# Altium PCB HIVE_BOARD_PCB ASCII REV Project_PCB_Rev.Project_SCH_Rev.PcbDoc (part 6 of 9)
Units mm, origin at the board's own origin, x right, y up, seen from the top; angles counter-clockwise.
Board outline 110 x 110 mm, 8 copper layers (Top, GND_1, Signal_1, GND_2, PWR, Signal_2, GND_3, Bottom), stack 1.6 mm thick; 674 components, 474 nets, 2528 pads, 2100 vias.
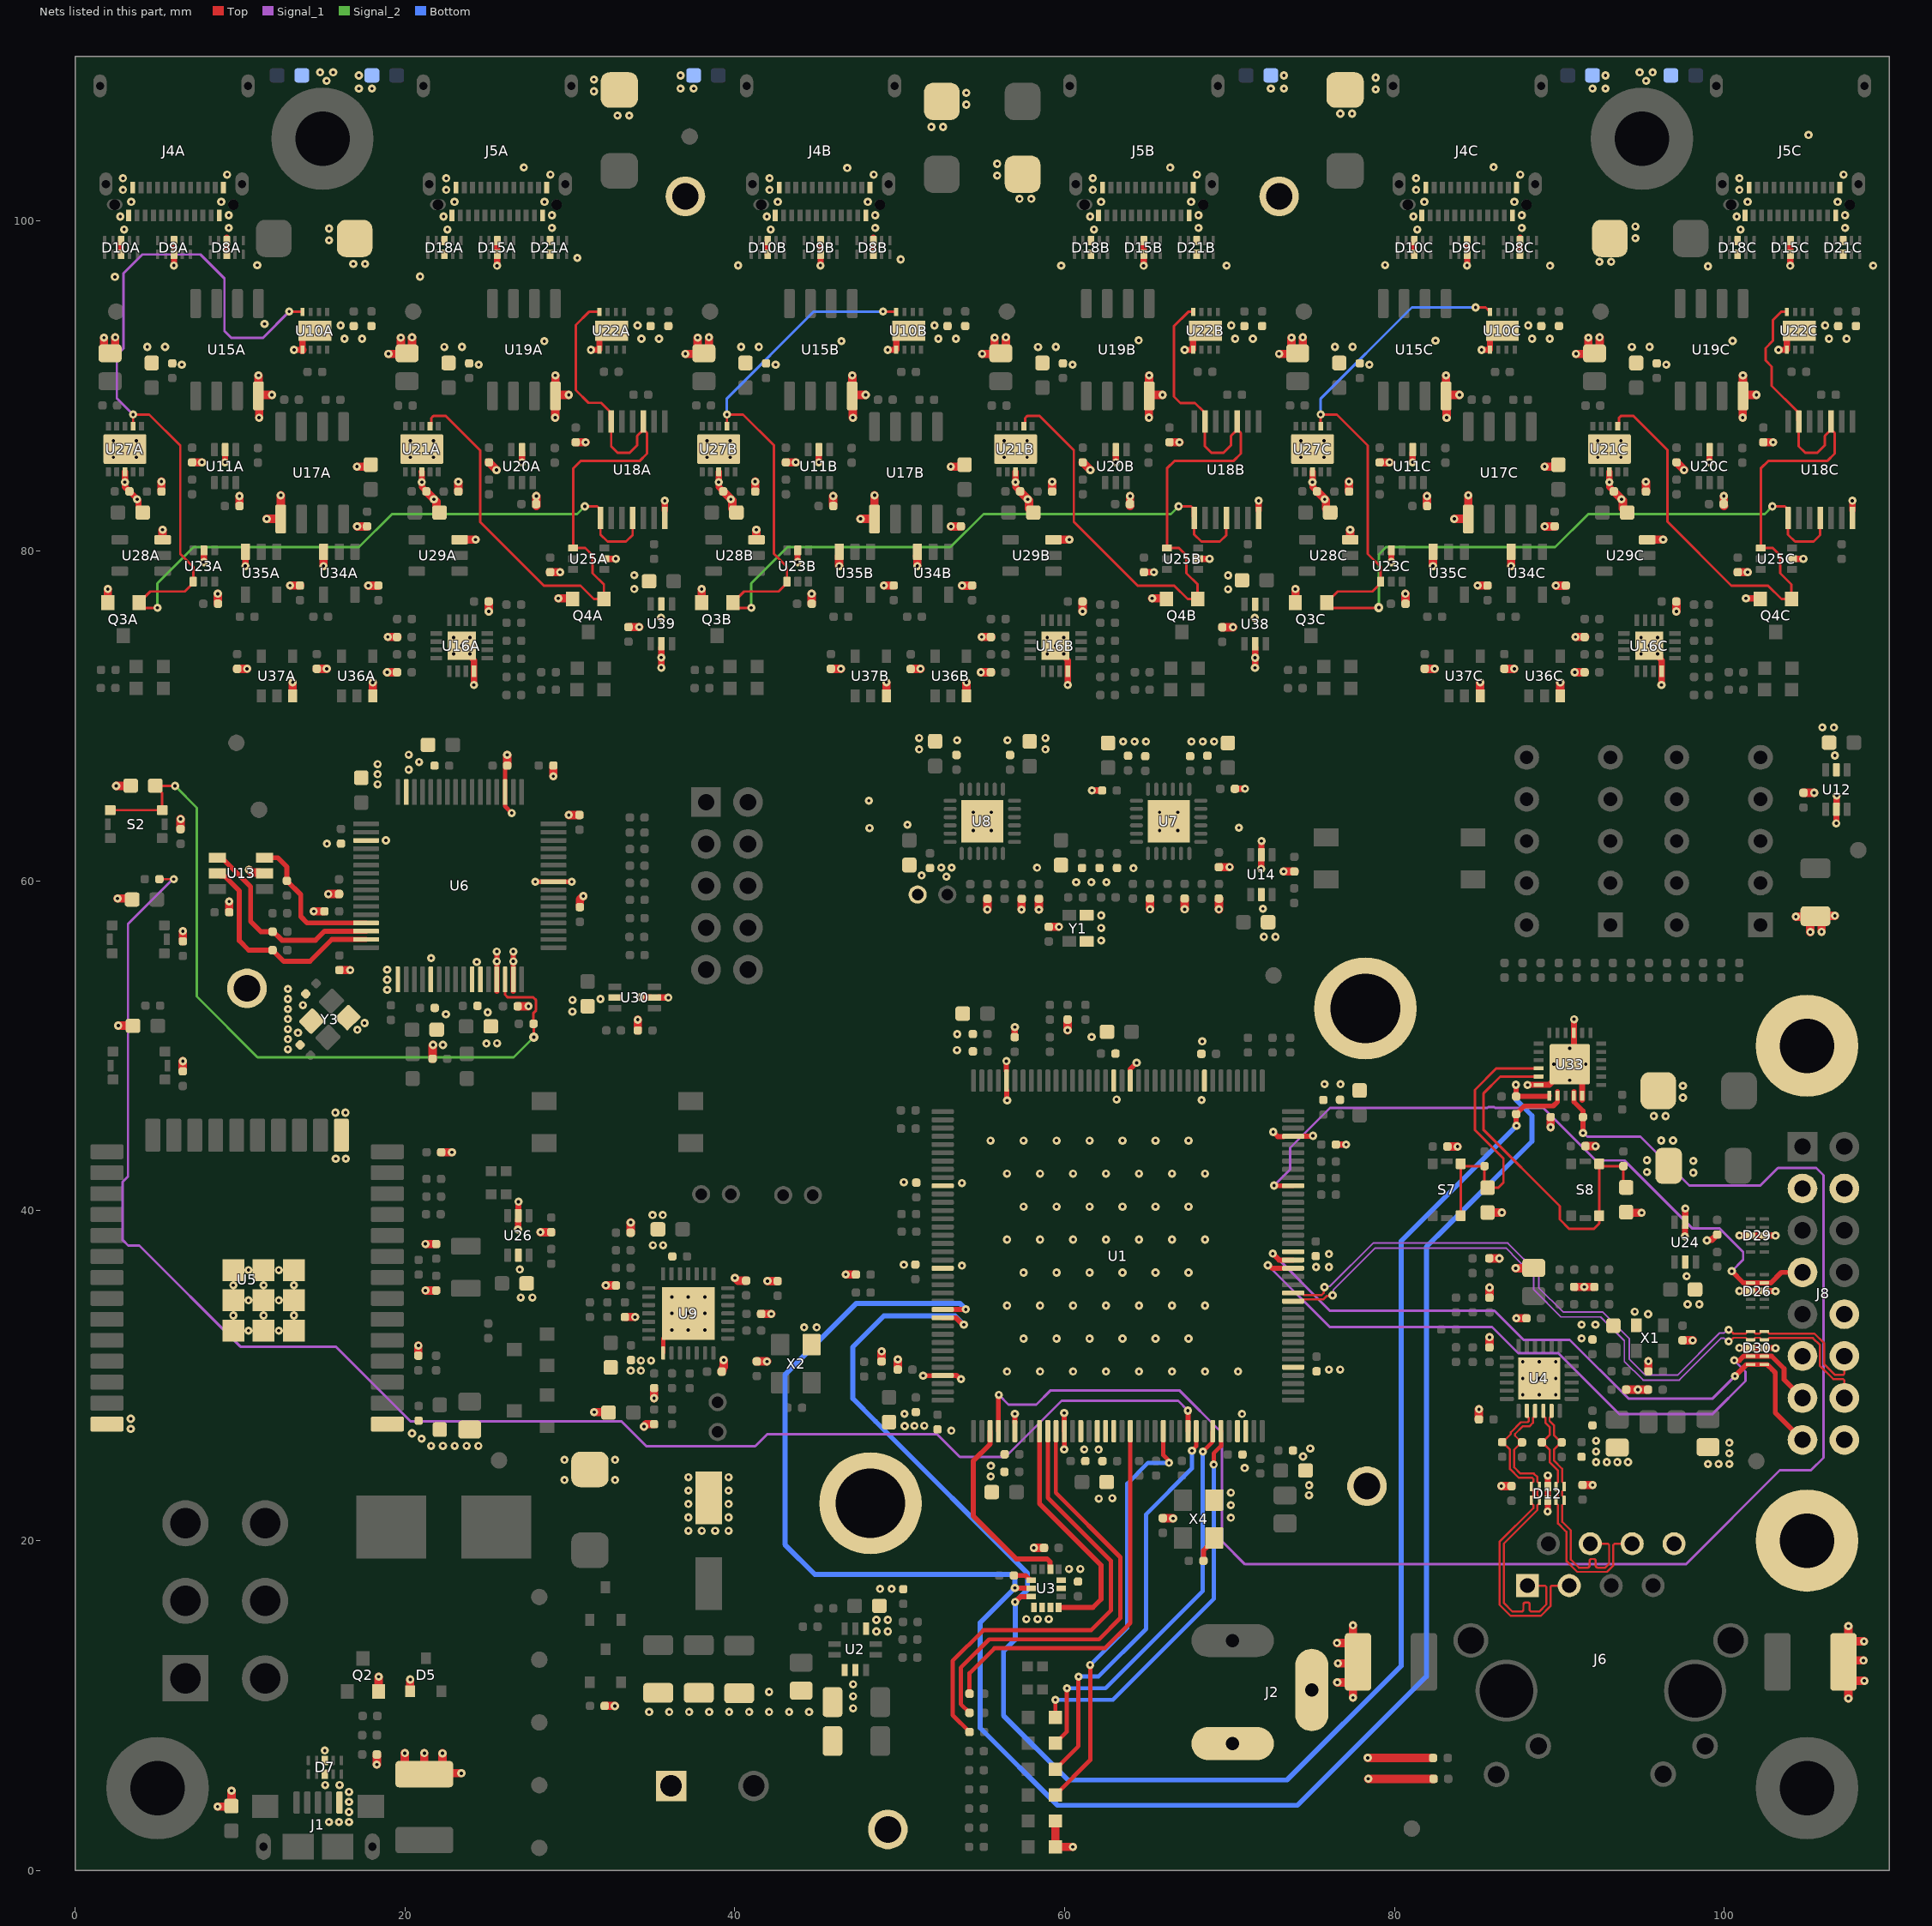
[diagram p12: the nets of this part, all layers, seen from the top]

## Via types
v1: diameter 0.5, hole 0.2, Top to Bottom, tented both sides, 1950 vias
v2: diameter 0.55, hole 0.2, Top to Bottom, tented both sides, 104 vias
v3: diameter 0.5, hole 0.2, Top to Bottom, 41 vias
v4: diameter 0.5, hole 0.2, Top to Bottom, tented bottom, 5 vias

## Nets (pads, with @x,y where several pads share a name; then routed paths per layer and width w, separated by ;. In a path a pad name is that pad's centre, name@x,y a point inside that pad or via, vN(x,y) a via of type N, cw(c..) or ccw(c..) an arc to the next point about the centre after c; other vN are vias at no path point) (continued)
ETH_RX_N: D12.4 D12.7 J6.6 R44.1 U4.22 | length 16
  Top w0.127: R44.1@88.929,25.961 R44.1@88.956,25.961 ; U4.22@89.019,27.872 89.019,27.572 89.142,27.449 89.142,27.152 89.403,26.89 89.403,26.407 88.957,25.961 R44.1@88.956,25.961 ; J6.6@94.405,19.814 93.336,19.814 93.262,19.739 93.262,18.496 92.876,18.11 91.071,18.11 90.429,18.752 90.429,20.52 90.33,20.62 89.91,21.039 89.91,22.149 89.836,22.223 89.824,22.223 89.787,22.26 D12.4@89.787,22.442 89.787,22.625 89.824,22.661 89.836,22.661 89.91,22.735 89.91,22.984 89.836,23.058 89.824,23.058 89.787,23.095 D12.7@89.787,23.277 89.787,23.46 89.824,23.496 89.836,23.496 89.91,23.57 89.91,24.252 89.403,24.759 89.403,25.513 R44.1@88.956,25.961
ETH_RX_P: D12.5 D12.6 J6.4 R43.1 U4.23 | length 16
  Top w0.127: U4.23@89.519,27.872 89.519,27.572 89.396,27.449 89.396,27.257 89.657,26.996 89.657,26.407 90.103,25.961 R43.1@90.105,25.961 ; R43.1@90.132,25.961 R43.1@90.105,25.961 ; J6.4@91.865,19.814 92.933,19.814 93.008,19.739 93.008,18.601 92.771,18.364 92.326,18.364 cw(c92.326,18.491) 92.199,18.491 92.199,18.774 ccw(c92.085,18.774) 92.085,18.889 91.932,18.889 ccw(c91.932,18.774) 91.818,18.774 91.818,18.491 cw(c91.691,18.491) 91.691,18.364 91.265,18.364 91.176,18.364 90.683,18.857 90.683,20.625 90.164,21.144 90.164,22.149 90.239,22.223 90.251,22.223 90.287,22.26 D12.5@90.287,22.442 90.287,22.625 90.251,22.661 90.239,22.661 90.164,22.735 90.164,22.984 90.239,23.058 90.251,23.058 90.287,23.095 D12.6@90.287,23.277 90.287,23.46 90.251,23.496 90.239,23.496 90.164,23.57 90.164,24.357 89.657,24.864 89.657,25.513 R43.1@90.105,25.961
ETH_TX_N: D12.1 D12.10 J6.3 R42.1 U4.20 | length 21
  Top w0.127: R42.1@86.523,25.972 R42.1@86.535,25.972 ; U4.20@88.019,27.872 88.019,27.572 88.142,27.449 88.142,27.257 88.068,27.182 87.662,27.182 87.05,26.571 87.05,26.465 86.557,25.972 R42.1@86.535,25.972 ; J6.3@90.595,17.274 89.526,17.274 89.452,17.199 89.452,16.028 88.869,15.445 87.039,15.445 86.361,16.123 86.361,19.92 88.41,21.969 88.41,22.149 88.336,22.223 88.324,22.223 88.287,22.26 D12.1@88.287,22.442 88.287,22.625 88.324,22.661 88.336,22.661 88.41,22.735 88.41,22.984 88.336,23.058 88.324,23.058 88.287,23.095 D12.10@88.287,23.277 88.287,23.46 88.41,23.583 88.41,23.743 88.336,23.817 87.525,23.817 86.998,24.344 86.998,25.509 R42.1@86.535,25.972
ETH_TX_P: D12.2 D12.9 J6.1 R41.1 U4.21 | length 21
  Top w0.127: R41.1@87.703,25.961 87.252,25.509 87.252,24.449 87.63,24.071 88.441,24.071 88.664,23.848 88.664,23.57 88.739,23.496 88.751,23.496 88.787,23.46 D12.9@88.787,23.277 88.787,23.095 88.751,23.058 88.739,23.058 88.664,22.984 88.664,22.735 88.739,22.661 88.751,22.661 88.787,22.625 D12.2@88.787,22.442 88.787,22.26 88.751,22.223 88.739,22.223 88.664,22.149 88.664,21.864 86.615,19.815 86.615,16.228 87.144,15.699 87.439,15.699 87.684,15.699 ccw(c87.684,15.826) 87.811,15.826 87.811,16.133 cw(c87.925,16.133) 87.925,16.247 88.078,16.247 cw(c88.078,16.133) 88.192,16.133 88.192,15.826 ccw(c88.319,15.826) 88.319,15.699 88.763,15.699 89.198,16.133 89.198,17.199 89.123,17.274 J6.1@88.055,17.274 ; R41.1@87.726,25.961 87.704,25.961 87.304,26.36 87.304,26.466 87.767,26.928 88.173,26.928 88.396,27.152 88.396,27.449 88.519,27.572 U4.21@88.519,27.872
FTDI_EECLK: R68.1 U6.62 U13.4 | length 12.6
  Top w0.305: U13.4@8.636,61.406 8.784,61.258 9.031,61.258 10.644,59.645 10.644,57.545 11.267,56.922 R68.1@11.976,56.922 ; R68.1@11.976,56.972 12.541,56.407 14.578,56.407 15.123,56.952 U6.62@17.641,56.952
FTDI_EECS: R69.1 U6.63 U13.5 | length 13.5
  Top w0.305: U13.5@8.636,60.456 8.784,60.308 9.042,60.308 9.961,59.39 9.961,56.371 10.528,55.804 R69.1@11.976,55.804 12.649,55.131 14.243,55.131 15.564,56.452 U6.63@17.641,56.452
FTDI_EEDATA: R72.1 U6.61 U13.3 | length 9.1
  Top w0.305: U13.3@11.486,61.406 12.292,61.406 12.844,60.854 R72.1@12.844,60.005 13.682,59.167 13.682,57.835 14.065,57.452 U6.61@17.641,57.452
FTDI_RESET: C91.1 R66.1 S2.3 S2.4 U6.14 | length 47
  Top w0.152: S2.4@2.133,64.29 S2.3@5.283,64.29 5.283,65.328 4.866,65.745 C91.1@4.866,65.772 ; C91.1@4.866,65.759 v1@6.06,65.759 ; U6.14@26.071,54.022 26.075,54.019 26.075,53.097 26.238,52.934 27.788,52.934 27.954,52.768 27.954,52.152 27.795,51.993 R66.1@27.795,51.336 27.804,51.327 27.804,50.532 v2(27.813,50.523)
  Signal_2 w0.152: v1(6.063,65.755) 7.384,64.435 7.384,52.988 11.062,49.309 26.598,49.309 v2(27.813,50.523)
GND: C1.1 C2.2 C3.1 C4.2 C5.1 C6.2 C7.2 C8.2 C9.2 C10.2 C11.1 C12.2 C13.2 C14.2 C15.2 C16.2 C17.2 C18.2 C19.2 C20.1 C21.1 C22.1 C23.1 C24.1 C25.1 C27.2 C28.1 C29.1 C30.2 C31.1 C32.1 C33.1 C34.1 C35.1 C36.1 C37.2 C38.2 C39.2 C40.2 C41.1 C42.1 C43.1 C44.1 C45.1 C46.1 C47.1 C48.1 C49.1 C50.1 C51.2 C52.2 C53.2 C54.1 C55.2 C56.1 C57.2 C58.2 C59.1 C60.2 C61.2 C62.1 C63.2 C64.1 C65.2 C66.1 C67.1 C68.2 C69.2 C70.2 C71.2 C72.2 C73.1 C74.1 C75.1 C76.1 C77.2 C78.2 C79.2 C80.2 C81.1 C82.2 C83.1 C84.2 C85.1 C86.2 C87.2 C88.1 C89.1 C90.2 C91.2 C92.1 C93.1 C95.1 C96.2 C97.1 C98.1 C99.1 C100.2 C101.1 C102.1 C103.1 C104.1 C105.2 C106.1 C107.2 C108A.1 C108B.1 C108C.1 C109A.1 C109B.1 C109C.1 C110A.2 C110B.2 C110C.2 C111A.2 C111B.2 C111C.2 C112.2 C113A.1 C113B.1 C113C.1 C114A.2 C114B.2 C114C.2 C115A.2 C115B.2 C115C.2 C116.2 C117A.1 C117B.1 C117C.1 C118A.2 C118B.2 C118C.2 C119A.2 C119B.2 C119C.2 C120A.2 C120B.2 C120C.2 C121A.2 C121B.2 C121C.2 C122A.2 C122B.2 C122C.2 C123.1 C124A.1 C124B.1 C124C.1 C125A.1 C125B.1 C125C.1 C126A.1 C126B.1 C126C.1 C127A.1 C127B.1 C127C.1 C128A.1 C128B.1 C128C.1 C129.2 C130.1 C131.2 C132.2 C133A.1 C133B.1 C133C.1 C134.2 C135.2 C136.2 C137.2 C138.2 C139A.2 C139B.2 C139C.2 C140A.1 C140B.1 C140C.1 C141A.1 C141B.1 C141C.1 C142.2 C143.2 C144.2 C145A.2 C145B.2 C145C.2 C146A.2 C146B.2 C146C.2 C147.2 C148.1 C149.1 C150A.2 C150B.2 C150C.2 C151A.2 C151B.2 C151C.2 C152.2 C153.2 C154.2 C155.2 D3.2 D4.K D5.1 D6.K D7.3 D7.8 D8A.3 D8A.8 D8B.3 D8B.8 D8C.3 D8C.8 D9A.3 D9A.8 D9B.3 D9B.8 D9C.3 D9C.8 D10A.3 D10A.8 D10B.3 D10B.8 D10C.3 D10C.8 D11A.2 D11B.2 D11C.2 D12.3 D12.8 D15A.3 D15A.8 D15B.3 D15B.8 D15C.3 D15C.8 D16A.2 D16B.2 D16C.2 D18A.3 D18A.8 D18B.3 D18B.8 D18C.3 D18C.8 D21A.3 D21A.8 D21B.3 D21B.8 D21C.3 D21C.8 D26.3 D26.8 D27.2 D28.A D29.3 D29.8 D30.3 D30.8 J1.5 J2.2 J2.3 J3.1 J4A.A1 J4A.A12 J4A.B1 J4A.B12 J4B.A1 J4B.A12 J4B.B1 J4B.B12 J4C.A1 J4C.A12 J4C.B1 J4C.B12 J5A.A1 J5A.A12 J5A.B1 J5A.B12 J5B.A1 J5B.A12 J5B.B1 J5B.B12 J5C.A1 J5C.A12 J5C.B1 J5C.B12 J6.8 J8.3 J8.4 J8.10 J8.11 J8.16 MEC1.1 MEC2.1 MTH5.1 MTH6.1 Q2.2 Q3A.2 Q3B.2 Q3C.2 Q4A.2 Q4B.2 Q4C.2 R9.1 R12.2 R14.1 R17.2 R20.2 R26.1 R30.1 R34.2 R39.1 R49.1 R50.1 R51.1 R52.1 R59.1 R61.1 R65.2 R71.1 R74.1 R75.1 R76.1 R78.1 R83.1 R84.1 R86.2 R88.1 R90.2 R97A.2 R97B.2 R97C.2 R106A.2 R106B.2 R106C.2 R108A.1 R108B.1 R108C.1 R118A.2 R118B.2 R118C.2 R122.2 R126.2 R127A.2 R127B.2 R127C.2 R133A.2 R133B.2 R133C.2 R149.1 R150.1 R154A.1 R154B.1 R154C.1 R155A.1 R155B.1 R155C.1 R157.1 R158.1 R159.1 R160.1 R176.2 R180.2 R181.2 R183.1 TP12.2 TP13.1 TP14.1 TP15.1 TP16.1 TP21.1 U1.6 U1.12 U1.14 U1.16 U1.17 U1.18 U1.33 U1.34 U1.41 U1.55 U1.69 U1.80 U1.89 U1.91 U1.104 U1.118 U1.128 U1.141 U2.3 U2.4 U2.8 U3.1 U3.2 U3.3 U3.6 U3.7 U4.25 U5.1 U5.15 U5.38 U5.39 U6.1 U6.5 U6.10 U6.11 U6.13 U6.15 U6.25 U6.35 U6.47 U6.51 U7.25 U8.25 U9.15 U9.29 U10A.1 U10A.9 U10B.1 U10B.9 U10C.1 U10C.9 U11A.2 U11B.2 U11C.2 U12.2 U12.5 U13.2 U14.2 U14.5 U15A.4 U15B.4 U15C.4 U16A.12 U16A.17 U16B.12 U16B.17 U16C.12 U16C.17 U17A.5 U17B.5 U17C.5 U18A.7 U18B.7 U18C.7 U19A.4 U19B.4 U19C.4 U20A.2 U20B.2 U20C.2 U21A.3 U21A.11 U21B.3 U21B.11 U21C.3 U21C.11 U22A.1 U22A.9 U22B.1 U22B.9 U22C.1 U22C.9 U23A.2 U23B.2 U23C.2 U24.2 U24.5 U25A.2 U25B.2 U25C.2 U26.2 U26.5 U27A.3 U27A.11 U27B.3 U27B.11 U27C.3 U27C.11 U28A.3 U28B.3 U28C.3 U29A.3 U29B.3 U29C.3 U30.2 U30.5 U33.9 U33.18 U33.23 U33.25 U34A.3 U34B.3 U34C.3 U35A.3 U35B.3 U35C.3 U36A.3 U36B.3 U36C.3 U37A.3 U37B.3 U37C.3 U38.2 U38.5 U39.2 U39.5 X1.2 X2.2 X4.2 Y1.1 Y1.2 Y3.2 Y3.4 | length 258.2
  Top w0.254: C71.2@26.203,66.991 26.203,66.977 26.071,66.846 U6.35@26.071,65.382 26.071,64.524 v1(26.478,64.117) ; U9.15@35.655,31.377 35.655,32.254 v1(36.179,32.778)
  Top w0.305: U6.13@25.571,53.292 U6.13@25.571,54.022 v1(25.571,55.123) v1(25.571,55.715) ; U6.15@26.571,53.292 U6.15@26.571,54.022 v1(26.571,55.123) v1(26.571,55.715) ; v1(27.904,59.946) v1@30.105,59.946 ; v1@51.424,30.005 U1.141@52.023,30.005 ; U1.141@52.601,30.014 52.604,30.017 53.172,30.017 53.179,30.023 53.44,30.023 53.666,29.797 v1(53.716,29.797) ; U1.104@56.467,48.468 v1@56.467,49.067 ; v1@56.49,46.707 U1.104@56.49,47.306 ; U1.6@56.982,27.17 v1(56.982,27.692) ; v1(59.969,25.527) 59.979,25.536 U1.12@59.979,26.637 ; v1(59.969,27.737) 59.969,27.215 59.974,27.211 U1.12@59.976,26.639 U1.12@59.976,26.639 ; U1.89@63.976,47.889 63.976,48.583 v1@64.364,48.971 ; v1@72.644,44.769 72.911,44.502 U1.69@73.27,44.502 ; U1.69@73.851,44.514 73.854,44.517 74.422,44.517 74.432,44.526 75.031,44.526 v1(75.051,44.546)
  Top w0.381: D10A.8@2.8,97.982 D10A.3@2.8,98.817 D10A.3@2.809,98.827 ; U27A.3@3.023,84.797 3.025,84.795 3.025,83.889 C140A.1@3.296,83.617 3.843,83.071 3.843,82.575 4.084,82.334 C139A.2@4.097,82.334 ; v1@6,97.307 D9A.8@6,97.982 D9A.3@6,98.817 ; U23A.2@7.798,79.934 7.803,79.928 v1(7.803,79.328) ; v1@9.093,85.454 U11A.2@9.093,85.979 ; D8A.8@9.2,98.149 D8A.3@9.2,98.817 D8A.3@9.2,98.984 ; C110A.2@9.964,82.733 C110A.2@9.97,82.728 ; U35A.3@10.319,79.692 10.325,79.686 v1(10.325,79.086) ; v1(13.274,92.194) U10A.1@13.78,92.194 ; U10A.1@13.786,92.201 13.786,92.941 14.196,93.351 U10A.9@14.536,93.351 ; U21A.3@21.023,84.797 21.025,84.795 21.025,83.889 C124A.1@21.296,83.617 ; D18A.3@22.4,98.817 D18A.3@22.41,98.827 ; U29A.3@23.298,80.696 U29A.3@23.308,80.686 ; v1(23.444,74.256) 24.003,73.697 24.072,73.697 24.103,73.665 24.103,73.464 24.194,73.374 U16A.12@24.194,72.706 24.194,71.882 v1(24.181,71.882) ; v1@25.59,97.298 D15A.8@25.59,97.973 ; D15A.3@25.59,98.808 D15A.8@25.59,97.973 ; D15A.3@25.6,98.817 D15A.8@25.6,97.982 D15A.8@25.59,97.973 ; v1@26.859,38.864 U26.5@26.859,39.478 ; U26.5@26.876,39.937 v1@26.876,40.551 ; v1@27.093,85.454 U20A.2@27.093,85.979 ; v1(31.274,92.194) 31.78,92.194 U22A.1@31.786,92.201 U22A.9@31.786,92.941 ; U25A.2@32.182,79.527 v1(32.782,79.527) ; v1@34.28,52.944 U30.5@34.894,52.944 ; U30.5@35.353,52.927 v1@35.967,52.927 ; v1@35.542,72.927 v1(35.542,73.542) ; v1@35.547,73.542 U39.5@35.547,74.156 ; U18A.7@35.755,82.449 v1(35.755,83.049) ; U27B.3@39.025,84.795 39.025,83.889 C140B.1@39.296,83.617 ; C139B.2@39.843,82.575 40.084,82.334 C139B.2@40.097,82.334 ; D10B.8@42,97.983 D10B.3@42,98.817 D10B.3@42.01,98.827 ; U23B.2@43.798,79.934 43.803,79.928 v1(43.803,79.328) ; v1@45.093,85.454 U11B.2@45.093,85.979 ; v1@45.2,97.308 D9B.3@45.2,98.817 ; D8B.8@48.4,98.15 D8B.3@48.4,98.985 ; v1(49.274,92.194) 49.78,92.194 U10B.1@49.786,92.201 49.786,92.941 50.196,93.351 U10B.9@50.536,93.351 ; C29.1@56.972,50.521 C29.1@56.972,50.528 v1@56.972,51.135 ; U21B.3@57.025,84.795 57.025,83.889 C124B.1@57.296,83.617 ; v1(59.444,74.256) 60.003,73.697 60.072,73.697 60.103,73.665 60.103,73.464 60.194,73.374 U16B.12@60.194,72.706 60.194,71.882 v1(60.181,71.882) ; D18B.3@61.6,98.817 D18B.3@61.61,98.827 ; v1@61.654,65.481 C99.1@62.268,65.481 ; v1@63.093,85.454 U20B.2@63.093,85.979 ; v1@64.791,97.298 D15B.8@64.791,97.973 ; D15B.3@64.791,98.808 D15B.8@64.791,97.973 ; D15B.3@64.8,98.817 64.8,97.983 D15B.8@64.791,97.973 ; C133B.1@64.807,78.717 v1(65.406,78.717) ; v1(67.274,92.194) 67.78,92.194 U22B.1@67.786,92.201 U22B.9@67.786,92.941 ; U25B.2@68.182,79.527 v1(68.782,79.527) ; C103.1@70.32,65.583 v1@70.934,65.583 ; v1@71.542,72.916 v1(71.542,73.531) ; v1@71.547,73.531 U38.5@71.547,74.145 ; U18B.7@71.755,82.449 v1(71.755,83.049) ; v1@71.912,60.733 U14.5@71.912,61.347 ; U14.5@71.929,61.806 v1@71.929,62.42 ; U27C.3@75.025,84.795 75.025,83.889 C140C.1@75.296,83.617 ; C28.1@76.446,44.017 v1@77.06,44.017 ; U23C.2@79.798,79.934 79.803,79.928 v1(79.803,79.328) ; v1@81.093,85.454 U11C.2@81.093,85.979 ; D10C.8@81.2,97.982 D10C.3@81.2,98.817 D10C.3@81.21,98.827 ; v1@84.4,97.308 D9C.3@84.4,98.817 ; v1(85.274,92.194) 85.78,92.194 U10C.1@85.786,92.201 85.786,92.941 86.196,93.351 U10C.9@86.536,93.351 ; D8C.8@87.6,98.15 D8C.3@87.6,98.985 ; v1@88.018,47.636 U33.18@88.724,47.636 89.374,47.636 v4(90.624,48.886) ; v1@89.287,21.767 D12.3@89.287,22.442 D12.8@89.287,23.277 v1@89.287,23.952 ; v1(90.881,51.613) 90.881,49.143 v4(90.624,48.886) ; U33.23@91.374,46.745 U33.23@91.374,46.986 91.374,48.136 v4(90.624,48.886) ; U21C.3@93.025,84.795 93.025,83.889 C124C.1@93.296,83.617 ; v1@94.748,29.156 v1@94.75,29.154 ; v1(95.444,74.256) 96.003,73.697 96.072,73.697 96.103,73.665 96.103,73.464 96.194,73.374 U16C.12@96.194,72.706 96.194,71.882 v1(96.181,71.882) ; v1@97.606,38.454 U24.5@97.606,39.068 ; U24.5@97.622,39.527 v1@97.622,40.141 ; v1(98.933,38.202) 98.965,38.234 99.239,38.234 C129.2@99.56,38.556 ; v1@99.093,85.454 U20C.2@99.093,85.979 ; D18C.3@100.8,98.817 D18C.3@100.81,98.827 ; v1@100.907,31.68 D30.3@101.582,31.68 D30.8@102.417,31.68 v1@103.093,31.68 ; v1@100.907,35.132 D26.3@101.582,35.132 D26.8@102.417,35.132 v1@103.093,35.132 ; v1@100.907,38.5 D29.3@101.582,38.5 D29.8@102.417,38.5 v1@103.093,38.5 ; v1(101.301,77.133) Q4C.2@101.901,77.133 ; v1(103.274,92.194) 103.78,92.194 U22C.1@103.786,92.201 U22C.9@103.786,92.941 ; v1@103.991,97.298 D15C.8@103.991,97.973 ; D15C.3@103.991,98.808 D15C.8@103.991,97.973 ; D15C.3@104,98.817 D15C.8@104,97.982 D15C.8@103.991,97.973 ; U25C.2@104.182,79.527 v1(104.782,79.527) ; v1@106.785,63.491 U12.5@106.785,64.105 ; U12.5@106.801,64.563 v1@106.801,65.178 ; U18C.7@107.755,82.449 v1(107.755,83.049)
  Top w0.508: C141A.1@1.75,92.337 v1(1.75,92.937) ; Q3A.2@1.989,77.095 v1(1.989,77.695) ; C141A.1@2.433,92.353 v1(2.433,92.953) ; v1@2.496,65.755 C91.2@3.11,65.755 ; v1@2.576,58.932 C4.2@3.19,58.932 ; v1@2.619,51.221 C68.2@3.234,51.221 ; R133A.2@5.234,83.609 v1(5.234,84.209) ; U28A.3@5.308,80.686 v1(5.308,81.286) ; R71.1@6.397,63.138 v1@6.397,63.753 ; R39.1@6.53,48.454 v1@6.53,49.068 ; R9.1@6.535,56.336 v1@6.535,56.951 ; R97A.2@7.089,85.37 R97A.2@7.095,85.376 v1(7.694,85.376) ; v1@8.644,3.874 R30.1@9.258,3.874 ; v1(8.658,77.408) 8.658,76.808 C128A.1@8.663,76.802 ; C84.2@9.346,58.098 v1(9.346,58.749) ; R30.1@9.481,4.224 v1@9.481,4.839 ; C151A.2@9.83,72.86 v1(10.43,72.86) ; C110A.2@9.964,82.733 v1(9.964,83.333) ; v1(10.541,60.681) 10.716,60.505 U13.2@11.18,60.505 ; U15A.4@11.121,90.045 v1(11.121,90.645) ; v1(11.158,88.079) U15A.4@11.158,88.679 ; U15A.4@11.335,89.467 v1(11.935,89.467) ; v1(11.621,81.946) 12.466,81.946 U17A.5@12.47,81.942 ; U17A.5@12.47,81.942 v1(12.471,83.379) ; v1(13.035,77.908) C146A.2@13.635,77.908 C146A.2@13.641,77.914 ; U37A.3@13.191,71.439 v1(13.191,72.039) ; U10A.1@13.78,92.194 U10A.1@13.786,92.201 ; v1(14.469,58.155) R65.2@15.12,58.155 ; C150A.2@14.656,72.86 v1(15.256,72.86) ; U34A.3@15.059,79.692 15.064,79.686 v1(15.064,79.086) ; v1(15.353,59.203) C79.2@16.005,59.203 ; C72.2@16.027,54.593 v1(16.679,54.593) ; v1(17.094,85.115) 17.571,85.115 C145A.2@17.703,85.247 ; v1(17.101,81.492) 17.701,81.492 C119A.2@17.707,81.497 ; v1(17.78,77.903) 18.379,77.903 C118A.2@18.385,77.908 ; U36A.3@18.048,71.428 v1(18.048,72.027) ; v1@18.301,6.421 R14.1@18.301,7.036 ; Q2.2@18.406,11.141 v1@18.406,11.755 ; v1(18.921,72.649) R106A.2@19.521,72.649 ; v1(18.965,74.792) R108A.1@19.565,74.792 ; v1(19,91.953) C127A.1@19.6,91.953 ; C127A.1@19.75,92.337 v1(19.75,92.937) ; C149.1@19.989,6.506 v1@19.989,7.121 ; D5.1@20.319,10.934 v1@20.319,11.549 ; C127A.1@20.433,92.353 v1(20.433,92.953) ; C97.1@20.812,31.215 v1@20.812,31.83 ; C149.1@21.171,6.506 v1@21.171,7.121 ; v1(21.244,35.167) C66.1@21.895,35.167 ; v1(21.244,37.986) C67.1@21.895,37.986 ; C124A.1@21.296,83.617 21.759,83.155 v1(21.759,83.137) 21.906,82.99 21.906,82.511 22.084,82.334 C111A.2@22.097,82.334 ; R74.1@21.675,49.217 21.675,50.023 v1(21.707,50.055) ; R59.1@22.197,43.546 v1(22.848,43.546) ; C149.1@22.27,6.494 v1@22.27,7.109 ; C149.1@22.806,5.903 v1@23.421,5.903 ; R127A.2@23.24,83.604 v1(23.24,84.203) ; U29A.3@23.298,80.696 v1(24.282,80.696) ; C117A.1@25.078,76.942 C117A.1@25.081,76.939 25.084,76.936 v1(25.084,76.336) ; R118A.2@25.089,85.37 R118A.2@25.095,85.376 25.552,84.918 v1(25.552,84.912) ; C71.2@26.203,66.991 v1(26.203,67.642) ; C70.2@26.835,52.4 v1(27.486,52.4) ; v1(27.964,83.333) 27.964,82.733 C120A.2@27.97,82.728 ; v1(28.219,38.702) C135.2@28.87,38.702 ; C133A.1@28.807,78.717 v1(29.406,78.717) ; v1(28.999,66.344) R126.2@28.999,66.995 ; v1(29.108,88.087) 29.108,88.629 U19A.4@29.158,88.679 ; U19A.4@29.121,90.045 v1(29.121,90.645) ; v1(29.301,77.133) Q4A.2@29.901,77.133 ; U19A.4@29.335,89.467 v1(29.935,89.467) ; v1(29.93,63.995) C57.2@30.582,63.995 ; C113A.1@30.355,86.594 v1(30.955,86.594) ; C55.2@30.607,58.407 C55.2@30.607,58.407 30.608,58.87 v1(30.812,59.075) ; v1@31.471,27.79 C86.2@32.085,27.79 ; R12.2@32.109,9.98 v1@32.724,9.98 ; v1@32.179,35.473 C47.1@32.794,35.473 ; C43.1@33.337,33.559 v1@33.951,33.559 ; C154.2@33.553,75.391 v1(34.204,75.391) ; R17.2@33.684,38.674 v1@33.684,39.288 ; C136.2@34.118,50.933 v1(34.118,51.584) ; v1(34.493,26.924) 34.63,27.061 R20.2@35.109,27.061 ; v1@35.109,28.635 R34.2@35.109,29.25 ; v1(37,91.953) C141B.1@37.6,91.953 ; C141B.1@37.75,92.337 v1(37.75,92.937) ; Q3B.2@37.989,77.095 v1(37.989,77.695) ; C141B.1@38.433,92.353 v1(38.433,92.953) ; C45.1@39.203,30.251 39.266,30.314 39.266,30.464 39.331,30.528 39.326,30.532 v1(39.326,30.954) ; C140B.1@39.296,83.617 39.843,83.071 C139B.2@39.843,82.575 ; v1(40.003,35.925) 40.014,35.925 40.182,35.757 40.681,35.757 C46.1@40.686,35.762 ; R133B.2@41.234,83.609 v1(41.234,84.209) ; U28B.3@41.308,80.686 v1(41.308,81.286) ; C49.1@41.334,30.867 v1@41.949,30.867 ; C48.1@41.596,33.746 v1@42.211,33.746 ; v1@41.981,35.737 R52.1@42.596,35.737 ; R97B.2@43.089,85.37 R97B.2@43.095,85.376 v1(43.694,85.376) ; v1(44.658,77.408) 44.658,76.808 C128B.1@44.663,76.802 ; C151B.2@45.83,72.86 v1(46.43,72.86) ; v1(45.964,83.333) 45.964,82.733 C110B.2@45.969,82.728 ; U35B.3@46.319,79.692 46.325,79.686 v1(46.325,79.086) ; v1@46.727,36.135 R122.2@47.341,36.135 ; U15B.4@47.121,90.045 v1(47.121,90.645) ; v1(47.158,88.079) U15B.4@47.158,88.679 ; U15B.4@47.335,89.467 v1(47.935,89.467) ; v1(47.621,81.946) 48.466,81.946 U17B.5@48.47,81.942 v1(48.471,83.379) ; R176.2@48.893,30.861 v1@48.893,31.476 ; v1(49.035,77.908) C146B.2@49.635,77.908 C146B.2@49.641,77.914 ; U37B.3@49.191,71.439 v1(49.191,72.039) ; C31.1@49.879,30.372 v1@49.879,30.987 ; C150B.2@50.656,72.86 v1(51.256,72.86) ; U34B.3@51.059,79.692 51.064,79.686 v1(51.064,79.086) ; v1(53.094,85.115) 53.571,85.115 C145B.2@53.703,85.247 ; v1(53.101,81.492) 53.701,81.492 C119B.2@53.707,81.497 ; v1(53.78,77.903) 54.379,77.903 C118B.2@54.385,77.908 ; U36B.3@54.048,71.428 v1(54.048,72.027) ; v1(54.921,72.649) R106B.2@55.521,72.649 ; v1(54.965,74.792) R108B.1@55.565,74.792 ; v1(55,91.953) C127B.1@55.6,91.953 ; v1(55.31,58.264) R88.1@55.31,58.915 ; C127B.1@55.75,92.337 v1(55.75,92.937) ; C127B.1@56.433,92.353 v1(56.433,92.953) ; C124B.1@57.296,83.617 57.843,83.071 57.843,82.575 58.084,82.334 C111B.2@58.097,82.334 ; v1(57.381,58.262) R90.2@57.381,58.913 ; v1@58.131,19.563 C77.2@58.745,19.563 ; v1(58.438,58.262) R181.2@58.438,58.913 ; C95.1@59.035,57.214 v1@59.65,57.214 ; R127B.2@59.24,83.604 v1(59.24,84.203) ; U29B.3@59.308,80.686 59.298,80.696 v1(60.282,80.696) ; D6.K@59.433,3.006 D4.K@59.433,1.435 v1(60.495,1.435) ; v1(60.179,50.944) R183.1@60.179,51.595 ; C117B.1@61.078,76.942 C117B.1@61.081,76.939 61.084,76.936 v1(61.084,76.336) ; R118B.2@61.089,85.37 R118B.2@61.095,85.376 61.552,84.918 v1(61.552,84.912) ; v1(63.964,83.333) 63.964,82.733 C120B.2@63.97,82.728 ; v1(65.108,88.087) 65.108,88.629 U19B.4@65.158,88.679 ; U19B.4@65.121,90.045 v1(65.121,90.645) ; v1(65.171,58.279) R84.1@65.171,58.93 ; v1(65.301,77.133) Q4B.2@65.901,77.133 ; U19B.4@65.335,89.467 v1(65.935,89.467) ; C1.1@65.957,21.354 v1@66.572,21.354 ; C113B.1@66.355,86.594 v1(66.955,86.594) ; v1(67.274,58.279) R83.1@67.274,58.93 ; v1(69.347,58.277) R86.2@69.347,58.928 ; R180.2@69.347,60.836 v1(69.998,60.836) ; C152.2@69.553,75.38 v1(70.204,75.38) ; v1(73,91.953) C141C.1@73.6,91.953 ; v1(73.271,60.571) C96.2@73.923,60.571 ; C141C.1@73.75,92.337 v1(73.75,92.937) ; Q3C.2@73.989,77.095 v1(73.989,77.695) ; C141C.1@74.433,92.353 v1(74.433,92.953) ; C140C.1@75.296,83.617 75.843,83.071 75.843,82.575 76.084,82.334 C139C.2@76.097,82.334 ; v1@76.511,13.793 C60.2@77.125,13.793 ; v1@76.529,11.404 C60.2@77.143,11.404 ; v1@76.566,12.558 C60.2@77.18,12.558 ; R133C.2@77.234,83.609 v1(77.234,84.209) ; U28C.3@77.308,80.686 v1(77.308,81.286) ; v1@77.475,10.476 C60.2@77.475,11.091 ; C60.2@77.475,14.249 v1@77.475,14.864 ; v1@78.374,6.824 R49.1@82.334,6.824 ; v1@78.405,5.56 R51.1@82.365,5.56 ; R97C.2@79.089,85.37 R97C.2@79.095,85.376 v1(79.694,85.376) ; v1(80.658,77.408) 80.658,76.808 C128C.1@80.663,76.802 ; C151C.2@81.83,72.86 v1(82.43,72.86) ; v1(81.964,83.333) 81.964,82.733 C110C.2@81.969,82.728 ; U35C.3@82.319,79.692 82.325,79.686 v1(82.325,79.086) ; U15C.4@83.121,90.045 v1(83.121,90.645) ; v1(83.158,88.079) U15C.4@83.158,88.679 ; R149.1@83.203,43.897 v1@83.818,43.897 ; U15C.4@83.335,89.467 v1(83.935,89.467) ; v1(83.621,81.946) 84.466,81.946 U17C.5@84.47,81.942 ; U17C.5@84.47,81.942 v1(84.471,83.379) ; v1(85.035,77.908) C146C.2@85.635,77.908 C146C.2@85.641,77.914 ; C53.2@85.11,27.351 v1@85.11,27.965 ; U37C.3@85.191,71.439 v1(85.191,72.039) ; R78.1@85.738,37.117 v1@86.352,37.117 ; R160.1@85.752,31.718 v1@85.752,32.333 ; R159.1@85.752,34.732 v1@85.752,35.347 ; C143.2@85.888,39.895 v1@86.503,39.895 ; v1@86.472,23.308 C39.2@87.086,23.308 ; C150C.2@86.656,72.86 v1(87.256,72.86) ; U34C.3@87.059,79.692 87.064,79.686 v1(87.064,79.086) ; v1@87.339,36.515 C50.1@87.954,36.515 ; v1@87.377,33.482 C34.1@87.992,33.482 ; v1(89.094,85.115) 89.571,85.115 C145C.2@89.703,85.247 ; v1(89.101,81.492) 89.701,81.492 C119C.2@89.707,81.497 ; v1@89.464,45.067 C142.2@89.464,45.681 ; v1(89.78,77.903) 90.379,77.903 C118C.2@90.385,77.908 ; U36C.3@90.048,71.428 v1(90.048,72.027) ; R157.1@90.886,35.384 v1@91.501,35.384 ; v1(90.921,72.649) R106C.2@91.521,72.649 ; v1(90.965,74.792) R108C.1@91.565,74.792 ; v1(91,91.953) C127C.1@91.6,91.953 ; C40.2@91.396,23.378 v1@92.011,23.378 ; v1(91.501,35.379) R158.1@92.115,35.379 ; R150.1@91.568,43.922 v1@92.183,43.922 ; C127C.1@91.75,92.337 v1(91.75,92.937) ; C127C.1@92.433,92.353 v1(92.433,92.953) ; C124C.1@93.296,83.617 93.843,83.071 93.843,82.575 94.084,82.334 C111C.2@94.097,82.334 ; R75.1@94.046,29.162 94.046,29.156 v1@94.748,29.156 ; C144.2@94.362,39.886 v1@94.977,39.886 ; v1@94.75,29.154 R76.1@95.365,29.154 ; R127C.2@95.24,83.604 v1(95.24,84.203) ; U29C.3@95.308,80.686 95.298,80.696 v1(96.282,80.696) ; C65.2@95.386,30.266 v1@95.386,30.88 ; C117C.1@97.078,76.942 C117C.1@97.081,76.939 97.084,76.936 v1(97.084,76.336) ; R118C.2@97.089,85.37 R118C.2@97.095,85.376 97.552,84.918 v1(97.552,84.912) ; R61.1@97.458,32.146 v1@98.072,32.146 ; v1(99.964,83.333) 99.964,82.733 C120C.2@99.97,82.728 ; C133C.1@100.807,78.717 v1(101.406,78.717) ; v1(101.108,88.087) 101.108,88.629 U19C.4@101.158,88.679 ; U19C.4@101.121,90.045 v1(101.121,90.645) ; U19C.4@101.335,89.467 v1(101.935,89.467) ; C113C.1@102.355,86.594 v1(102.955,86.594) ; v1(104.332,57.835) 104.986,57.835 C148.1@104.991,57.83 ; C27.2@104.79,65.34 v1(105.442,65.34) ; v1(105.207,56.897) C148.1@105.207,57.497 ; v1(105.891,56.913) C148.1@105.891,57.513 ; C148.1@106.041,57.898 106.053,57.885 v1(106.694,57.885) ; v1@107.52,10.435 C61.2@107.52,11.049 ; C61.2@107.52,14.208 v1@107.52,14.822 ; C61.2@107.814,12.74 v1@108.429,12.74 ; C61.2@107.852,13.894 v1@108.466,13.894 ; C61.2@107.87,11.506 v1@108.484,11.506